# Altium PCB PCB_WINGLET_V1P_OSR.PcbDoc (part 3 of 4) (continued)
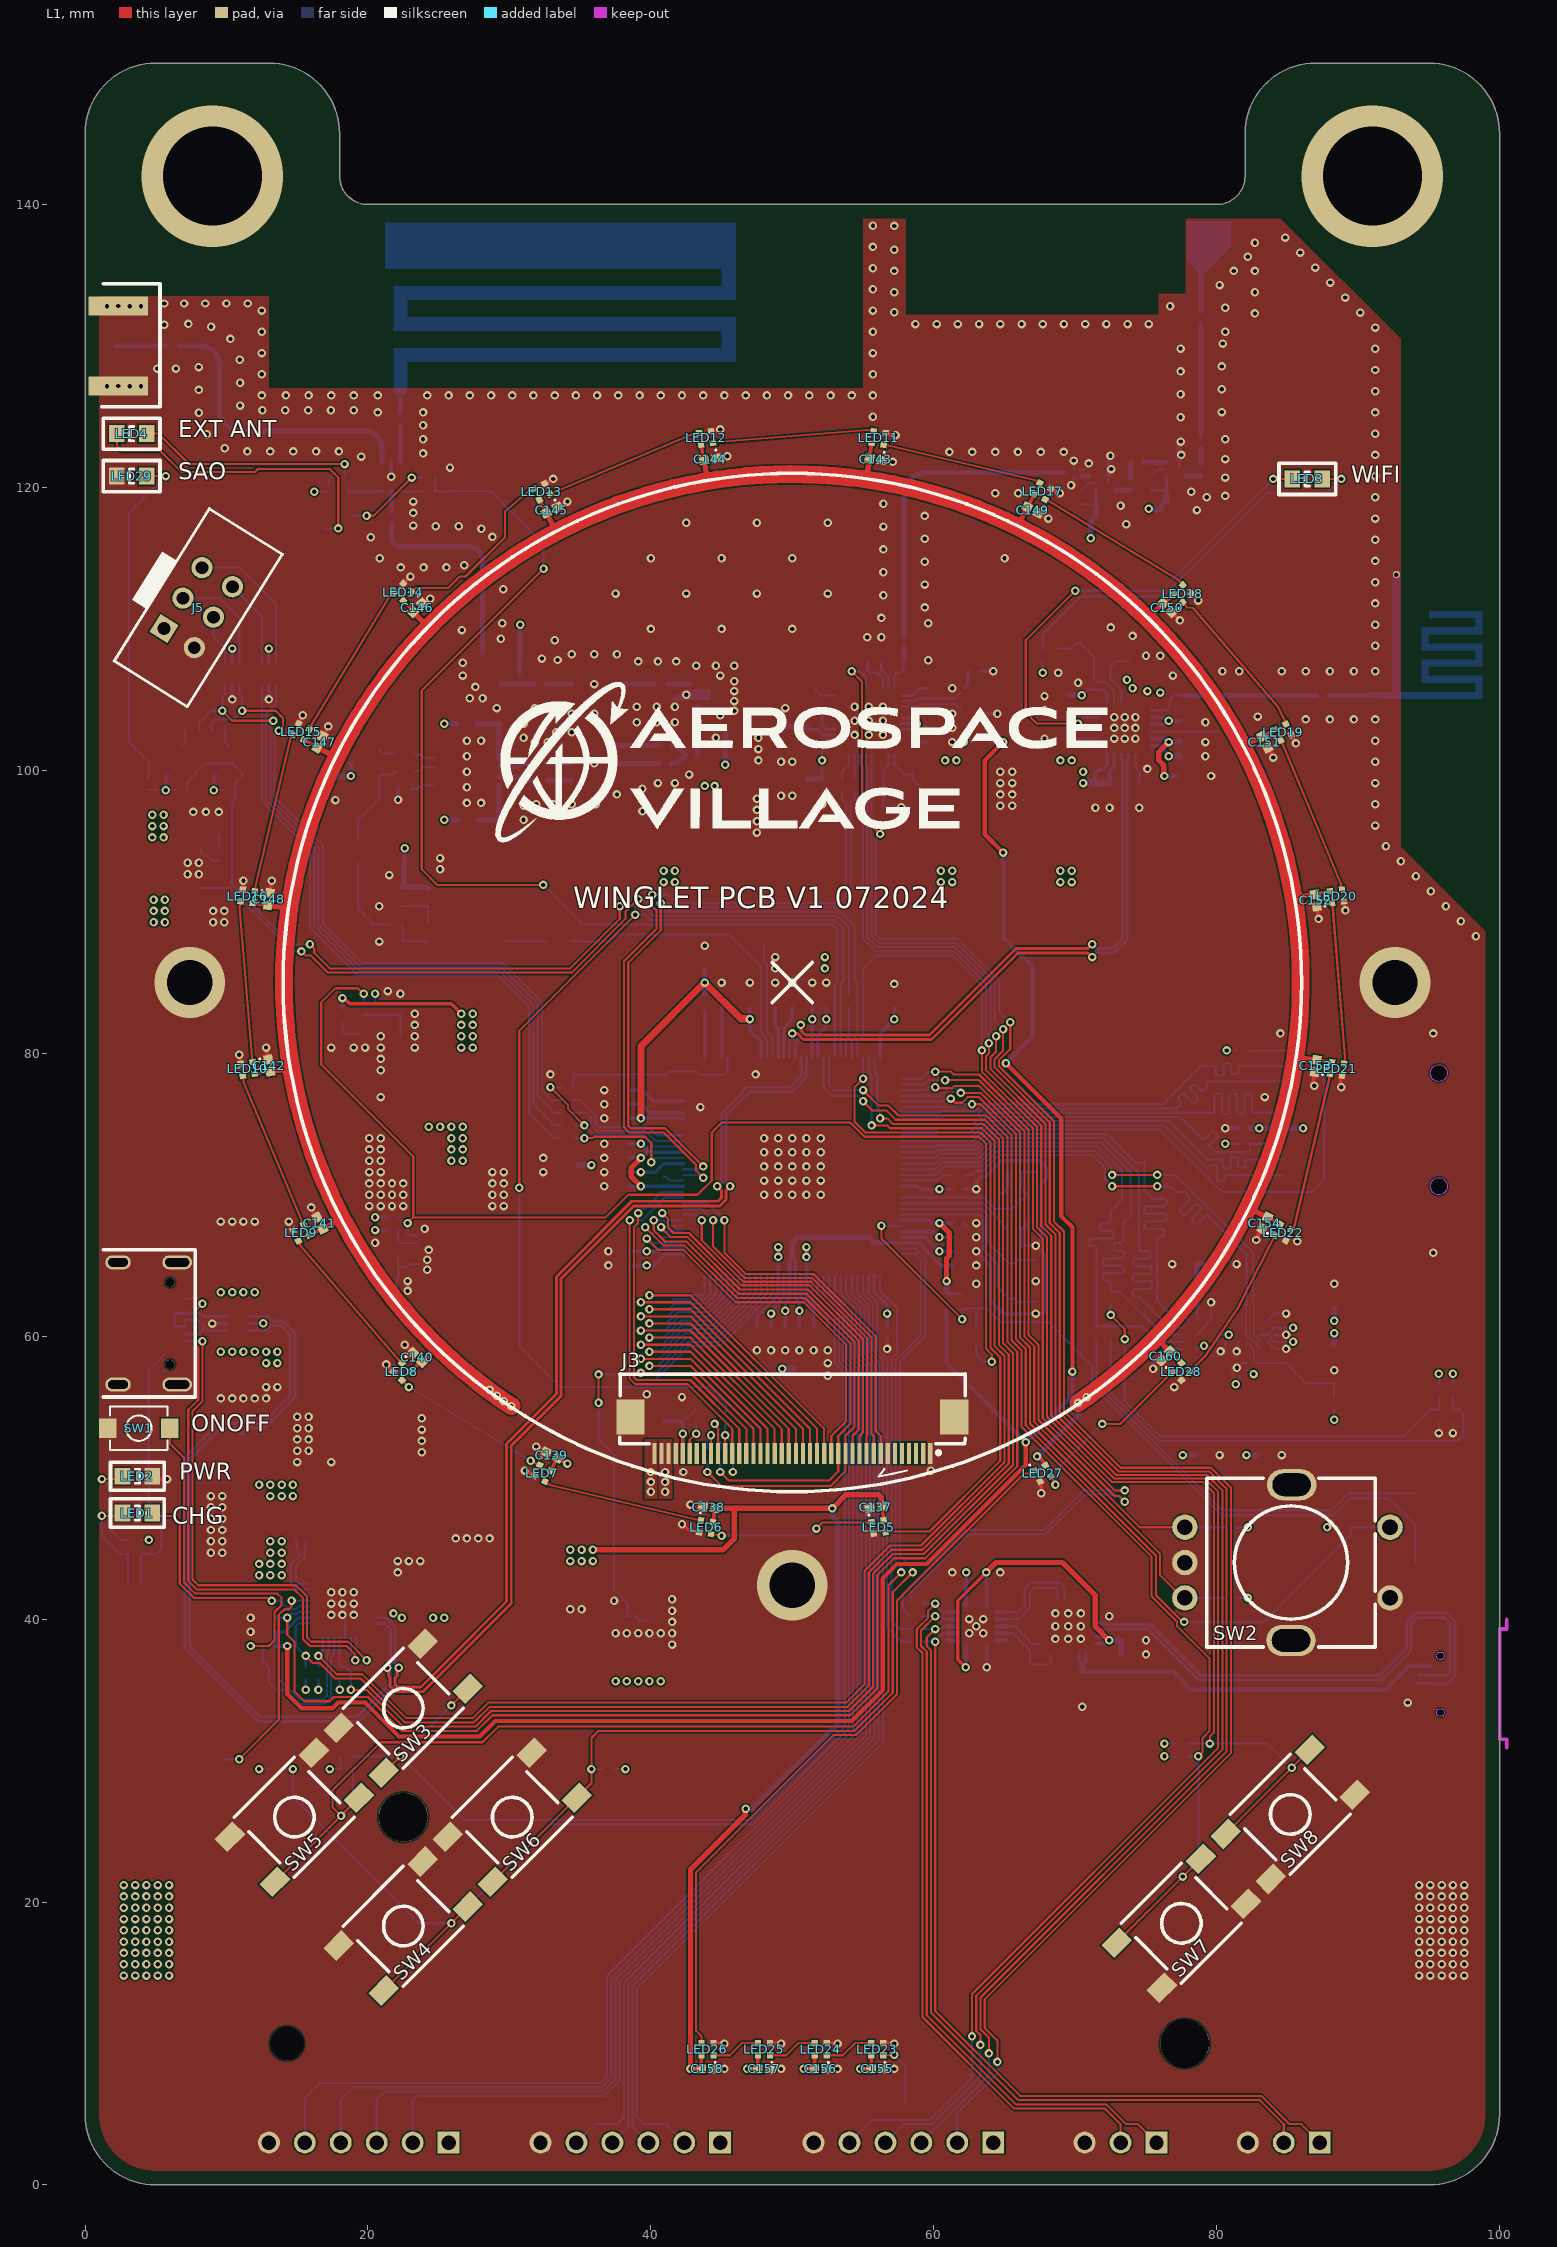
[diagram p0: L1 view]
## Nets (pads, with @x,y where several pads share a name; then routed paths per layer and width w, separated by ;. In a path a pad name is that pad's centre, name@x,y a point inside that pad or via, vN(x,y) a via of type N, cw(c..) or ccw(c..) an arc to the next point about the centre after c; other vN are vias at no path point) (continued)
  L4 w0.152: U16.4@8.2,91.675 9.45,91.675 10.225,91.675 14.7,87.2 v1(15.3,87.2) ; v1(39.1,90.9) 39.186,90.814 39.586,90.814 40.4,90 53.4,90 54.4,89 54.4,85.174 54.6,84.974 54.6,81.3 54.2,80.9 U4.123@54.2,79.725
GPIO_SAO_SCL: R71.1 U4.85 | length 8.8
  L4 w0.152: R71.1@34.55,75.8 35.4,75.8 35.8,75.4 35.8,74.9 35.9,74.8 36.2,74.5 39.6,74.5 40.3,73.8 U4.85@42.275,73.8
GPIO_SAO_SDA: R65.1 U4.86 | length 9.1
  L4 w0.152: R65.1@34.55,76.7 35,76.7 36.1,75.6 36.1,75 36.3,74.8 39.8,74.8 40.4,74.2 U4.86@42.275,74.2
HDR_SAO_GPIO1: D5.6 J5.5 | length 10.5
  L4 w0.152: J5.5@8.269,114.327 10.973,114.327 13.5,111.8 D5.6@13.5,107.615
HDR_SAO_GPIO2: D5.4 J5.6 | length 6.2
  L4 w0.152: J5.6@10.423,112.981 12.5,110.904 D5.4@12.5,107.615
HDR_SAO_SCL: D4.4 J5.4 | length 3.6
  L4 w0.152: J5.4@9.077,110.827 9.077,109.423 9.9,108.6 D4.4@9.9,107.615
HDR_SAO_SDA: D4.6 J5.3 | length 7.7
  L4 w0.152: J5.3@6.923,112.173 9.527,112.173 10.9,110.8 D4.6@10.9,107.615
IO_BTN_A: R79.1 SW7.1 U4.6 | length 76.9
  L1 w0.152: v1(62.7,76.4) 63.3,76.4 65.5,74.2 65.5,59.7 66.2,59 66.2,53.6 75.4,44.4 75.4,41.6 77.2,39.8 77.2,39.5 79.5,37.2 79.5,32.1 79,31.6 79,30.613 78.7,30.313 v1(78.7,30.3) ; SW7.1@72.939,17.121 72.939,17.139 v1(77.6,21.8) 78.861,23.061 SW7.1@78.879,23.061
  L4 w0.152: U4.6@57.725,76.2 61.4,76.2 61.6,76.4 v1(62.7,76.4) ; v1(77.6,21.8) 78.7,22.9 v1(78.7,30.3) R79.1@77.95,30.3
IO_BTN_B: R80.1 SW8.1 U4.124 | length 96.8
  L1 w0.152: v1(63.4,80.2) 63.4,78.7 67.3,74.8 67.3,67.7 68,67 68,54.3 72.616,49.684 79.037,49.684 79.8,48.921 79.8,32 79.529,31.729 79.529,31.229 v1(79.5,31.2) ; SW8.1@80.639,24.821 80.639,24.839 v1(85.3,29.5) 86.561,30.761 SW8.1@86.579,30.761
  L4 w0.152: U4.124@54.6,79.725 54.6,80.8 55,81.2 55,86 55.9,86.9 61.3,86.9 63.4,84.8 v1(63.4,80.2) ; R80.1@77.95,31.2 v1(79.5,31.2) 83.6,31.2 v1(85.3,29.5)
IO_BTN_D: R75.1 SW4.1 U4.44 | length 92.7
  L1 w0.152: SW4.1@21.121,13.739 SW4.1@27.061,19.679
  L4 w0.152: R75.1@13.95,29.4 v1(14.7,29.4) 14.7,27.4 23.6,18.5 v1(25.9,18.5) 32.9,25.5 47.2,25.5 54,32.3 54,57.5 53.3,58.2 53.3,61.5 51.8,63 U4.44@51.8,64.275
IO_BTN_E: R64.1 SW2.D U4.5 | length 66.6
  L1 w0.152: v1(61.2,76.8) 61.5,76.5 62,76.5 62.4,76.9 63.2,76.9 65.8,74.3 65.8,59.8 66.5,59.1 66.5,53.703 75.7,44.503 75.7,41.7 v1@77.65,39.75
  L4 w0.152: U4.5@57.725,76.6 60.6,76.6 60.8,76.8 v1(61.2,76.8) ; v1(77.7,39.8) 83.3,39.8 89.45,45.95 R64.1@89.45,46.5 SW2.D@92.25,46.5
IO_BTN_L: R76.1 SW5.1 U4.32 | length 89.6
  L1 w0.152: SW5.1@13.421,21.439 13.439,21.439 v1(18.1,26.1) ; SW5.1@19.361,27.379 19.361,27.361 v1(18.1,26.1) ; v1(57.7,43.3) 56.8,42.4 56.8,34.9 54.3,32.4 29.2,32.4 28.1,31.3 20.9,31.3 17.5,27.9 17.5,26.7 v1(18.1,26.1)
  L4 w0.152: v1(18.1,26.1) 18.95,26.95 R76.1@18.95,29.4 ; v1(57.7,43.3) 57.629,43.371 57.629,43.671 57.3,44 57.3,58.3 59.1,60.1 59.1,65.4 58.7,65.8 U4.32@57.725,65.8
IO_BTN_R: R78.1 SW6.1 U4.31 | length 70.8
  L1 w0.152: SW6.1@28.821,21.439 SW6.1@34.761,27.379 35.8,28.418 v1(35.8,29.4) 35.8,31.6 36.3,32.1 54.4,32.1 57.1,34.8 57.1,41.9 v1(58.5,43.3)
  L4 w0.152: v1(35.8,29.4) R78.1@36.55,29.4 ; U4.31@57.725,66.2 58.7,66.2 59.4,65.5 59.4,59.976 57.6,58.176 57.6,44.5 58.429,43.671 58.429,43.371 v1(58.5,43.3)
IO_BTN_U: R73.1 SW3.1 U4.45 | length 80.6
  L1 w0.152: SW3.1@21.121,29.139 21.139,29.139 v1(22.3,30.3) ; v1(25.9,33.9) 27.061,35.061 SW3.1@27.061,35.079
  L4 w0.152: R73.1@18.95,30.3 v1(22.3,30.3) ; v1(25.9,33.9) v1(22.3,30.3) ; U4.45@51.4,64.275 51.4,63 52.998,61.402 52.998,58.102 53.7,57.4 53.7,32.424 47.076,25.8 26.8,25.8 v1(22.3,30.3)
IO_ENC_PHA: R67.1 SW2.A U4.3 | length 47.5
  L1 w0.152: v1(60.1,77.6) 60.178,77.522 61.272,77.522 61.428,77.678 63.222,77.678 66.4,74.5 66.4,60 67.1,59.3 67.1,53.951 74.551,46.5 SW2.A@77.75,46.5
  L4 w0.152: U4.3@57.725,77.4 59.4,77.4 59.6,77.6 v1(60.1,77.6) ; SW2.A@77.75,46.5 R67.1@80.55,46.5
IO_ENC_PHB: R68.2 SW2.B U4.4 | length 50.4
  L1 w0.152: v1(61.9,77.2) 63.3,77.2 66.1,74.4 66.1,59.9 66.8,59.2 66.8,53.827 76,44.627 76,43.1 SW2.B@77.675,41.425
  L4 w0.152: U4.4@57.725,77 60.5,77 61,77.5 61.6,77.5 v1(61.9,77.2) ; SW2.B@77.75,41.5 R68.2@80.55,41.5
JTAG_ARM_TCK: P5.2 U4.36 | length 71.4
  L4 w0.152: P5.2@42.36,3 41.06,4.3 39.5,4.3 39,4.8 39,13.903 56.4,31.303 56.4,58.3 55.7,59 55.7,62.3 55,63 U4.36@55,64.275
JTAG_ARM_TDI: P5.4 U4.38 | length 69.6
  L4 w0.152: P5.4@37.28,3 38.4,4.12 38.4,14.151 55.8,31.551 55.8,58.1 55.1,58.8 55.1,62.1 54.2,63 U4.38@54.2,64.275
JTAG_ARM_TDO: P5.3 U4.37 | length 69.6
  L4 w0.152: P5.3@39.82,3 38.7,4.12 38.7,14.027 56.1,31.427 56.1,58.2 55.4,58.9 55.4,62.2 54.6,63 U4.37@54.6,64.275
JTAG_ARM_TMS: P5.5 U4.39 | length 71.5
  L4 w0.152: P5.5@34.74,3 36.04,4.3 37.6,4.3 38.1,4.8 38.1,14.276 55.5,31.676 55.5,58 54.8,58.7 54.8,62 53.8,63 U4.39@53.8,64.275
JTAG_DSP_TCK: P4.2 U4.40 | length 83
  L4 w0.152: P4.2@23.16,3 23.16,5.96 23.5,6.3 36.7,6.3 37.8,7.4 37.8,14.4 55.2,31.8 55.2,57.9 54.5,58.6 54.5,61.9 53.4,63 U4.40@53.4,64.275
JTAG_DSP_TDI: P4.4 U4.42 | length 87.5
  L4 w0.152: P4.4@18.08,3 18.08,5.98 19,6.9 36.5,6.9 37.2,7.6 37.2,14.649 54.6,32.049 54.6,57.7 53.9,58.4 53.9,61.7 52.6,63 U4.42@52.6,64.275
JTAG_DSP_TDO: P4.3 U4.41 | length 85.3
  L4 w0.152: P4.3@20.62,3 20.62,6.02 21.2,6.6 36.6,6.6 37.5,7.5 37.5,14.524 54.9,31.924 54.9,57.8 54.2,58.5 54.2,61.8 53,63 U4.41@53,64.275
JTAG_DSP_TMS: P4.5 U4.43 | length 89.8
  L4 w0.152: P4.5@15.54,3 15.54,6.14 16.6,7.2 36.4,7.2 36.9,7.7 36.9,14.773 54.3,32.173 54.3,57.6 53.6,58.3 53.6,61.6 52.2,63 U4.43@52.2,64.275
LCD_CLK: J3.29 U4.75 | length 26.1
  L1 w0.152: v1(38.5,68.2) 38.5,57 38.9,56.6 42.6,56.6 45.75,53.45 J3.29@45.75,51.712
  L4 w0.152: v1(38.5,68.2) 39.4,68.2 41,69.8 U4.75@42.275,69.8
LCD_DE: J3.28 U4.76 | length 26.2
  L1 w0.152: v1(39.1,68.7) 39.1,68 38.8,67.7 38.8,57.1 39,56.9 42.8,56.9 46.25,53.45 J3.28@46.25,51.712
  L4 w0.152: v1(39.1,68.7) 39.113,68.7 39.413,69 39.6,69 40.8,70.2 U4.76@42.275,70.2
LCD_HSYNC: J3.26 U4.54 | length 22.2
  L1 w0.152: v1(39.9,57.9) 42.8,57.9 47.25,53.45 J3.26@47.25,51.712
  L4 w0.152: v1(39.9,57.9) 40.5,57.9 42.5,59.9 44.7,59.9 47.8,63 U4.54@47.8,64.275
LCD_NRESET: J3.35 R37.2 | length 2.4
  L1 w0.152: J3.35@42.75,51.712 42.75,52.691 43.159,53.1 v1(43.2,53.1)
  L4 w0.152: v1(43.2,53.1) R37.2@43.2,53.95
LCD_NSS: J3.30 R38.2 R39.2 | length 3.2
  L1 w0.152: J3.30@45.25,51.712 v1(45.25,53)
  L4 w0.152: R39.2@45.3,53.75 45.25,53.7 v1(45.25,53) 45.8,52.45 R38.2@45.8,52.05
LCD_RGB_B0: J3.25 U4.55 | length 23.5
  L1 w0.152: v1(39.3,58.4) 42.8,58.4 47.75,53.45 J3.25@47.75,51.712
  L4 w0.152: v1(39.3,58.4) 40.6,58.4 42.4,60.2 44.6,60.2 46,61.6 47.4,63 U4.55@47.4,64.275
LCD_RGB_B1: J3.24 U4.56 | length 22.4
  L1 w0.152: v1(39.9,58.9) 42.8,58.9 48.25,53.45 J3.24@48.25,51.712
  L4 w0.152: v1(39.9,58.9) 40.7,58.9 42.3,60.5 44.5,60.5 47,63 U4.56@47,64.275
LCD_RGB_B2: J3.23 U4.57 | length 23.7
  L1 w0.152: v1(39.3,59.4) 42.8,59.4 48.75,53.45 J3.23@48.75,51.712
  L4 w0.152: v1(39.3,59.4) 40.8,59.4 42.2,60.8 44.4,60.8 45.4,61.8 46.6,63 U4.57@46.6,64.275
LCD_RGB_B3: J3.22 U4.58 | length 22.6
  L1 w0.152: v1(39.9,59.9) 42.8,59.9 49.25,53.45 J3.22@49.25,51.712
  L4 w0.152: v1(39.9,59.9) 40.9,59.9 42.1,61.1 44.3,61.1 45.1,61.9 46.2,63 U4.58@46.2,64.275
LCD_RGB_B4: J3.21 U4.59 | length 23.9
  L1 w0.152: v1(39.3,60.4) 40.5,60.4 42.8,60.4 49.75,53.45 J3.21@49.75,51.712
  L4 w0.152: v1(39.3,60.4) 41,60.4 42,61.4 44.2,61.4 45.8,63 U4.59@45.8,64.275
LCD_RGB_B5: J3.20 U4.60 | length 22.8
  L1 w0.152: v1(39.9,60.9) 42.8,60.9 50.25,53.45 J3.20@50.25,51.712
  L4 w0.152: v1(39.9,60.9) 41.1,60.9 41.9,61.7 44.1,61.7 45.4,63 U4.60@45.4,64.275
LCD_RGB_G0: J3.19 U4.61 | length 24.1
  L1 w0.152: v1(39.3,61.4) 41.863,61.4 42.8,61.4 50.75,53.45 J3.19@50.75,51.712
  L4 w0.152: v1(39.3,61.4) 41.2,61.4 41.8,62 44,62 45,63 U4.61@45,64.275
LCD_RGB_G1: J3.18 U4.62 | length 23
  L1 w0.152: v1(39.9,61.9) 41.829,61.9 42.8,61.9 51.25,53.45 J3.18@51.25,51.712
  L4 w0.152: v1(39.9,61.9) 41.3,61.9 41.7,62.3 43.9,62.3 44.6,63 U4.62@44.6,64.275
LCD_RGB_G2: J3.17 U4.63 | length 24.3
  L1 w0.152: v1(39.3,62.4) 40.5,62.4 42.8,62.4 51.75,53.45 J3.17@51.75,51.712
  L4 w0.152: v1(39.3,62.4) 41.4,62.4 41.6,62.6 43.8,62.6 44.2,63 U4.63@44.2,64.275
LCD_RGB_G3: J3.16 U4.64 | length 23.2
  L1 w0.152: v1(39.9,62.9) 42.8,62.9 52.25,53.45 J3.16@52.25,51.712
  L4 w0.152: v1(39.9,62.9) 43.6,62.9 43.8,63.1 U4.64@43.8,64.275
LCD_RGB_G4: J3.15 U4.67 | length 28
  L1 w0.152: v1(39.7,66.9) 40.5,66.1 42.3,66.1 46,62.4 50.8,62.4 53.8,59.4 53.8,54 52.75,52.95 J3.15@52.75,51.712
  L4 w0.152: v1(39.7,66.9) 39.821,66.9 40.121,66.6 U4.67@42.275,66.6
LCD_RGB_G5: J3.14 R41.1 U4.68 | length 39.9
  L1 w0.152: v1(39.6,67.7) 40.9,66.4 42.4,66.4 46.1,62.7 50.9,62.7 54.1,59.5 54.1,53.8 53.25,52.95 J3.14@53.25,51.712 53.25,50.45 52.6,49.8 45.5,49.8 v1(44.9,50.4)
  L4 w0.152: v1(39.6,67.7) 40,67.3 40.424,67.3 40.724,67 U4.68@42.275,67 ; v1(44.9,50.4) R41.1@44.9,51.15
LCD_RGB_R0: J3.13 R40.1 U4.70 | length 41.2
  L1 w0.152: v1(40.2,68.2) 40.2,67.5 41,66.7 42.5,66.7 46.2,63 51,63 54.4,59.6 54.4,53.6 53.75,52.95 J3.13@53.75,51.712 53.75,50.45 52.7,49.4 45,49.4 v1(44,50.4)
  L4 w0.152: v1(40.2,68.2) 40.911,68.2 41.311,67.8 U4.70@42.275,67.8 ; v1(44,50.4) R40.1@44,51.15
LCD_RGB_R1: J3.12 U4.69 | length 27.2
  L1 w0.152: v1(40.717,67.717) 40.717,67.677 41.394,67 42.6,67 46.3,63.3 51.1,63.3 54.7,59.7 54.7,53.4 54.25,52.95 J3.12@54.25,51.712
  L4 w0.152: v1(40.717,67.717) 40.717,67.696 41.013,67.4 U4.69@42.275,67.4
LCD_RGB_R2: J3.11 U4.71 | length 28.1
  L1 w0.152: v1(40.8,68.7) 41.207,68.293 41.207,67.693 41.6,67.3 42.7,67.3 46.4,63.6 51.2,63.6 55,59.8 55,53.2 54.75,52.95 J3.11@54.75,51.712
  L4 w0.152: v1(40.8,68.7) 41.3,68.2 U4.71@42.275,68.2
LCD_RGB_R3: J3.10 U4.72 | length 25.6
  L1 w0.152: v1(43.6,68.2) 43.6,66.782 46.528,63.854 51.305,63.854 55.3,59.859 55.3,53 55.25,52.95 J3.10@55.25,51.712
  L4 w0.152: U4.72@42.275,68.6 43.2,68.6 v1(43.6,68.2)
LCD_RGB_R4: J3.9 U4.73 | length 26.4
  L1 w0.152: v1(44.4,68.2) 44.4,66.341 46.633,64.108 51.41,64.108 55.6,59.918 55.6,53.1 55.75,52.95 J3.9@55.75,51.712
  L4 w0.152: U4.73@42.275,69 43.6,69 v1(44.4,68.2)
LCD_RGB_R5: J3.8 U4.74 | length 27.3
  L1 w0.152: v1(45.2,68.2) 45.2,65.9 46.7,64.4 51.5,64.4 55.9,60 55.9,53.3 56.25,52.95 J3.8@56.25,51.712
  L4 w0.152: U4.74@42.275,69.4 44,69.4 v1(45.2,68.2)
LCD_SCK: J3.31 R41.2 | length 4.1
  L1 w0.152: v1(44.5,53.8) 44.5,53.737 44.75,53.487 J3.31@44.75,51.712
  L4 w0.152: v1(44.5,53.8) 44.5,53.679 44.772,53.407 44.772,52.628 44.9,52.5 R41.2@44.9,52.05
LCD_SDA: J3.32 R40.2 | length 2.3
  L1 w0.152: J3.32@44.25,51.712 v1(44.25,53)
  L4 w0.152: R40.2@44,52.05 44,52.7 44.25,52.95 v1(44.25,53)
LCD_VSYNC: J3.27 U4.53 | length 23.3
  L1 w0.152: v1(39.3,57.4) 42.8,57.4 46.75,53.45 J3.27@46.75,51.712
  L4 w0.152: v1(39.3,57.4) 40.4,57.4 42.6,59.6 44.8,59.6 46.6,61.4 48.2,63 U4.53@48.2,64.275
MICROSD_CLK: J2.5 R30.2 TP12.1 | length 30.5
  L4 w0.152: R30.2@62.15,75 62.8,75 63.6,75.8 TP12.1@78.9,75.8 79.647,75.8 79.723,75.8 79.83,75.907 79.83,77.014 79.936,77.121 80.256,77.121 80.363,77.014 80.363,75.805 80.47,75.698 80.79,75.698 80.897,75.805 80.897,77.014 81.003,77.121 81.323,77.121 81.43,77.014 81.43,75.805 81.537,75.698 81.857,75.698 81.963,75.805 81.963,77.014 82.07,77.121 82.39,77.121 82.497,77.014 82.497,75.907 82.603,75.8 82.923,75.8 J2.5@84.7,75.8
NetC96_1: C96.1 L6.1 | length 1.1
  L4 w0.356: L6.1@78.9,121.65 C96.1@78.9,122.76
NetC96_2: C96.2 Z1.1 Z4.2 | length 7.9
  L4 w0.356: C96.2@78.9,123.64 Z4.2@78.9,130.7 Z1.1@78.9,131.54
NetC97_1: C97.1 L7.1 | length 1.2
  L4 w0.356: L7.1@73.9,120.65 C97.1@73.9,121.8
NetC97_2: C97.2 U8.6 | length 1.6
  L4 w0.356: C97.2@74.78,121.8 74.84,121.8 U8.6@76.4,121.8
NetC114_1: C114.1 J4.1 | length 3.6
  L4 w0.356: J4.1@2.16,130 C114.1@5.76,130
NetC115_1: C115.1 U11.5 | length 1.4
  L4 w0.356: C115.1@21.65,118.29 U11.5@21.65,119.7
NetC118_2: C118.2 R54.1 U11.6 | length 2.4
  L4 w0.254: R54.1@18.6,119.7 18.61,119.71 20.99,119.71 U11.6@21,119.7
NetC123_1: C123.1 L11.1 U12.1 | length 2.4
  L4 w0.356: U12.1@29.4,106.1 L11.1@30.7,106.1 C123.1@31.76,106.1
NetC123_2: C123.2 F3.2 | length 1.8
  L4 w0.356: C123.2@32.64,106.1 F3.2@34.4,106.1
NetC124_1: C124.1 F3.5 | length 2.7
  L4 w0.356: F3.5@37.6,106.1 C124.1@40.26,106.1
NetC124_2: C124.2 U13.4 | length 1.7
  L4 w0.356: C124.2@41.14,106.1 42.8,106.1
NetC125_1: C125.1 L12.1 U13.1 | length 3.4
  L4 w0.356: U13.1@43.3,104.527 L12.1@43.3,102.9 43.3,101.14 C125.1@43.34,101.1
NetC125_2: C125.2 C126.1 L13.2 | length 2.5
  L4 w0.356: L13.2@41.425,100.5 ccw(c41.425,101.55) 42.168,100.808 C125.2@42.46,101.1 41.972,101.588 ccw(c41.46,101.076) C126.1@41.46,101.8
NetC126_2: C126.2 F2.1 L10.1 | length 2.9
  L4 w0.356: F2.1@37.6,101.77 40.468,101.77 ccw(c40.468,101.872) C126.2@40.54,101.8
NetC127_2: C127.2 F2.2 L13.1 | length 3
  L4 w0.356: F2.2@37.6,100.5 L13.1@40.575,100.5
NetC129_1: C129.1 R60.1 | length 6
  L4 w0.152: C129.1@19.3,93.475 19.3,90.2 20.4,89.1 R60.1@21.55,89.1
NetC129_2: C129.2 Q1.2 R58.1 | length 6.3
  L4 w0.152: C129.2@19.3,95.125 19.3,96.5 20.8,98 Q1.2@20.8,99.55 20.95,99.7 21.75,99.7 R58.1@21.95,99.9
NetC131_2: C131.2 C132.2 R59.2 U14.1 | length 4
  L4 w0.381: R59.2@27.7,103.3 C132.2@29.26,103.3 C131.2@29.26,102.3 ccw(c29.284,102.276) 29.25,102.276 U14.1@29.25,100.875
NetC133_2: C133.2 C134.2 R62.2 U14.4 | length 3.9
  L4 w0.381: R62.2@27.8,96.5 C134.2@29.26,96.5 C133.2@29.26,97.5 cw(c29.284,97.524) 29.25,97.524 U14.4@29.25,98.925
NetL1_1: L1.1 U1.15 U1.16 U1.17 U1.18
NetL2_1: L2.1 U2.9
NetL2_2: L2.2 U2.7
NetL3_1: L3.1 U3.3
NetL4_1: L4.1 U6.3
NetL6_2: L6.2 U8.3 | length 1.1
  L4 w0.356: 77.8,120.8 L6.2@78.9,120.8
NetL7_2: L7.2 U9.3 | length 1.1
  L4 w0.356: 72.843,119.8 L7.2@73.9,119.8
NetL9_2: L9.2 U10.22 | length 2.1
  L4 w0.203: L9.2@51.1,101.674 51.774,101.674 52.2,102.1 U10.22@53,102.1
NetLED1_2: LED1.2 R7.1 R8.1 R10.1 | length 7
  L1 w0.152: v1(1.2,47.3) LED1.2@2.45,47.3
  L4 w0.152: v1(1.2,47.3) 1.2,45.9 2.5,44.6 R7.1@3.05,44.6 R8.1@3.05,43.6 R10.1@3.05,42.6
NetLED2_2: LED2.2 R17.1 | length 6.6
  L1 w0.152: v1(1.2,49.9) LED2.2@2.45,49.9
  L4 w0.152: v1(1.2,49.9) 1.8,49.3 1.8,46.3 2.5,45.6 R17.1@3.05,45.6
NetLED3_2: LED3.2 R47.2 | length 28.1
  L1 w0.152: LED3.2@87.45,120.6 v1(88.8,120.6)
  L4 w0.152: R47.2@67.7,108.55 67.7,109.6 70.4,112.3 76.2,112.3 83.5,119.6 87.8,119.6 v1(88.8,120.6)
NetLED4_1: LED4.1 Q2.3 | length 22.2
  L1 w0.152: LED4.1@2.25,123.8 2.25,122.95 2.6,122.6 5.3,122.6 6.804,121.096 12.021,121.096 12.225,121.3 17.3,121.3 17.9,120.7 v1(17.9,117.1)
  L4 w0.152: Q2.3@16.9,117.1 v1(17.9,117.1)
NetLED4_2: LED4.2 R55.1 | length 15.7
  L1 w0.152: LED4.2@4.35,123.8 5.2,123.8 7.35,121.65 v1(18.35,121.65)
  L4 w0.152: R55.1@18.3,120.95 R55.1@18.35,120.9 v1(18.35,121.65)
NetLED5_1: LED5.1 LED6.4 | length 11.6
  L1 w0.152: LED6.4@44.253,46.014 44.401,45.995 v1(45,45.9) ; v1(51.7,46.4) 52.132,46.832 LED5.1@55.466,46.832
  L4 w0.152: v1(45,45.9) 51.2,45.9 v1(51.7,46.4)
NetLED6_1: LED6.1 LED7.4 | length 11.1
  L1 w0.152: LED7.4@32.623,49.609 32.848,49.495 ccw(c32.917,49.63) 32.881,49.482 ; 32.882,49.482 43.195,47.045 ; 43.206,47.043 LED6.1@43.4,47.012
NetLED7_1: LED7.1 LED8.4 | length 11.5
  L1 w0.152: LED8.4@22.4,56.899 22.506,56.794 v1(22.9,56.4) ; v1(31.498,51.197) 32.003,50.94 LED7.1@32.143,50.886
  L4 w0.152: v1(22.9,56.4) v1(31.498,51.197)
NetLED8_1: LED8.1 LED9.4 | length 11.1
  L1 w0.152: LED9.4@15.104,66.644 15.219,66.419 ccw(c15.355,66.488) 15.239,66.389 ; 15.239,66.389 22.15,58.355 ; 22.157,58.347 LED8.1@22.296,58.208
NetLED9_1: LED9.1 LED10.4 | length 11.4
  L1 w0.152: LED10.4@11.147,78.414 11.159,78.265 11.198,78.016 ccw(c11.349,78.04) 11.208,77.981 15.298,68.205 ccw(c15.438,68.264) 15.302,68.196 ; 15.303,68.195 15.392,68.02 LED9.1@15.457,67.886
NetLED10_1: LED10.1 LED16.4 | length 11.1
  L1 w0.152: 10.931,90.3 11.8,79.739 ; 10.931,90.301 cw(c11.083,90.313) 10.933,90.336 LED16.4@10.972,90.586 ; 11.802,79.728 LED10.1@11.832,79.534
NetLED11_1: LED11.1 LED17.4 | length 11.1
  L1 w0.152: LED11.1@56.6,122.988 56.794,122.957 ; 56.805,122.955 67.118,120.518 cw(c67.083,120.369) 67.152,120.505 LED17.4@67.377,120.391
NetLED11_4: LED11.4 LED12.1 | length 11.1
  L1 w0.152: LED12.1@44.534,123.168 44.728,123.198 ; 44.739,123.2 55.3,124.069 ; 55.301,124.069 cw(c55.313,123.917) 55.336,124.067 LED11.4@55.586,124.028
NetLED12_4: LED12.4 LED13.1 | length 11.1
  L1 w0.152: LED13.1@33.005,119.58 33.181,119.669 ; 33.191,119.674 42.967,123.764 cw(c43.026,123.623) 43.001,123.774 LED12.4@43.251,123.813
NetLED13_4: LED13.4 LED14.1 | length 12.5
  L1 w0.152: LED14.1@23.101,112.599 23.402,112.9 25.7,112.9 26.5,113.7 26.9,113.7 29.7,116.5 29.7,118.307 31.389,119.76 ; 31.389,119.76 cw(c31.488,119.644) 31.419,119.78 LED13.4@31.644,119.895
NetLED14_4: LED14.4 LED15.1 | length 11.1
  L1 w0.152: LED15.1@15.927,103.046 16.016,103.221 ; 16.022,103.231 21.527,112.286 cw(c21.657,112.207) 21.549,112.314 LED14.4@21.727,112.493
NetLED15_4: LED15.4 LED16.1 | length 11.1
  L1 w0.152: LED16.1@12.012,91.6 12.043,91.794 ; 12.045,91.805 14.482,102.118 cw(c14.63,102.083) 14.495,102.152 LED15.4@14.609,102.377
NetLED17_1: LED17.1 LED18.4 | length 11.1
  L1 w0.152: LED17.1@68.003,119.087 68.178,118.998 ; 68.188,118.992 77.243,113.487 ; 77.243,113.487 cw(c77.164,113.357) 77.271,113.465 77.45,113.287
NetLED18_1: LED18.1 LED19.4 | length 11.4
  L1 w0.152: LED18.1@77.6,111.899 77.939,111.505 78.324,111.476 84.296,104.534 LED19.4@84.896,103.356
NetLED19_1: LED19.1 LED20.4 | length 11.1
  L1 w0.152: LED19.1@84.58,101.995 84.669,101.819 ; 84.674,101.809 88.764,92.033 ; 88.764,92.033 cw(c88.623,91.974) 88.774,91.999 LED20.4@88.813,91.749
NetLED20_1: LED20.1 LED21.4 | length 11.1
  L1 w0.152: LED20.1@88.168,90.466 88.198,90.272 ; 88.2,90.261 89.069,79.7 cw(c88.917,79.687) 89.067,79.664 LED21.4@89.028,79.414
NetLED21_1: LED21.1 LED22.4 | length 11.1
  L1 w0.152: LED22.4@85.391,67.623 85.505,67.848 ccw(c85.37,67.917) 85.518,67.881 ; 85.518,67.882 87.955,78.195 ; 87.957,78.206 LED21.1@87.988,78.4
NetLED22_1: LED22.1 LED28.4 | length 11.4
  L1 w0.152: LED28.4@78.101,57.5 79.199,58.598 79.218,58.621 81.497,62.003 83.8,66.5 84.057,67.005 LED22.1@84.114,67.143
NetLED23_4: LED23.4 LED24.1 | length 3.5
  L1 w0.152: LED24.1@52.425,9.175 53.575,9.175 54.425,10.025 LED23.4@55.575,10.025
NetLED24_4: LED24.4 LED25.1 | length 3.5
  L1 w0.152: LED25.1@48.425,9.175 49.575,9.175 50.425,10.025 LED24.4@51.575,10.025
NetLED25_4: LED25.4 LED26.1 | length 3.5
  L1 w0.152: LED26.1@44.425,9.175 45.575,9.175 46.425,10.025 LED25.4@47.575,10.025
NetLED26_4: LED26.4 LED27.1 | length 51.8
  L1 w0.152: LED26.4@43.575,10.025 43.575,10.525 43.2,10.9 43.2,22.1 52.9,31.8 54.5,31.8 57.4,34.7 57.4,41.3 66.4,50.3 66.813,50.3 66.998,50.486 LED27.1@67.128,50.486
NetLED27_4: LED27.4 LED28.1 | length 12.9
  L1 w0.152: LED27.4@68.272,50.114 68.351,49.988 v1(68.6,49.5) ; v1(71.9,53.8) 73.199,53.8 LED28.1@76.899,57.5
  L4 w0.152: v1(68.6,49.5) 68.6,50.5 v1(71.9,53.8)
NetLED29_2: LED29.2 R66.1 | length 24.3
  L1 w0.152: LED29.2@4.35,120.8 v1(5.7,120.8)
  L4 w0.152: R66.1@4.5,99.5 4.5,100.6 3.1,102 3.1,118.2 v1(5.7,120.8)
NetQ1_1: Q1.1 R56.1 | length 1.3
  L4 w0.152: Q1.1@20.8,101.45 21.05,101.2 R56.1@21.95,101.2
NetQ3_1: Q3.1 Q4.1 R77.1 R83.2 R84.1 | length 67.5
  L1 w0.152: v1(15.9,87.7) 16.2,87.4 16.2,87.1 17.3,86 34.3,86 37.8,89.5 v1(37.8,90.4)
  L4 w0.152: R84.1@7.175,98.6 7.175,99.075 7.75,99.65 Q4.1@7.75,99.7 7.75,99.75 8.5,100.5 10.4,100.5 11.15,99.75 Q3.1@11.15,99.7 11.15,99.65 10.575,99.075 R77.1@10.575,98.6 ; R77.1@10.625,98.6 10.625,97.925 10.4,97.7 10.4,91.9 14.6,87.7 v1(15.9,87.7) ; v1(37.8,90.4) 39.5,90.4 40.2,89.7 53.2,89.7 54,88.9 R83.2@54,84.15
NetQ3_3: Q3.3 R81.2 | length 1.2
  L4 w0.152: R81.2@9.85,102.8 9.9,102.75 9.9,102 Q3.3@10.2,101.7
NetQ4_3: Q4.3 R85.2 | length 1.2
  L4 w0.152: Q4.3@6.8,101.7 7.1,102 7.1,102.75 R85.2@7.15,102.8
NetR36_1: R36.1 TP24.1 U5.K5 U5.M8 U5.N8 U5.P8 | length 8.8
  L4 w0.102: U5.K5@82.1,59.6 82.6,59.1 82.6,58.3 82.8,58.1 U5.M8@83.1,58.1 U5.N8@83.6,58.1 U5.P8@84.1,58.1 84.6,58.1
  L4 w0.152: 84.6,58.1 84.9,58.1 86.3,56.7 TP24.1@88.3,56.7 R36.1@88.3,55.75
NetR46_2: R46.2 U7.14 | length 2.1
  L4 w0.152: U7.14@74.25,101.125 74.25,100.225 74.525,99.95 R46.2@74.525,99.1
NetR48_2: R48.2 U8.5 | length 1.3
  L4 w0.102: R48.2@75.365,120.75 75.589,120.974 75.589,120.989 75.9,121.3 U8.5@76.4,121.3
NetR49_2: R49.2 U9.5 | length 1.3
  L4 w0.102: R49.2@70.4,119.75 70.95,120.3 U9.5@71.435,120.3
NetR52_1: R52.1 U11.4 | length 1.5
  L4 w0.152: U11.4@22.3,119.7 R52.1@23.85,119.7
NetR56_2: R56.2 U14.8 | length 1.6
  L4 w0.152: R56.2@23.25,101.2 23.35,101.1 23.7,101.1 23.925,100.875 U14.8@24.75,100.875
NetR58_2: R58.2 U14.7 | length 1.6
  L4 w0.152: R58.2@23.25,99.9 23.35,100 23.7,100 23.925,100.225 U14.7@24.75,100.225
NetR61_2: R61.2 U15.2 U15.3 | length 3.1
  L4 w0.152: R61.2@22.45,90.4 24.215,90.4 U15.3@24.25,90.435 U15.2@24.25,89.165
NetR70_1: R70.1 U16.3 | length 1.7
  L4 w0.152: U16.3@8.2,94.445 8.2,94.195 8.399,93.996 8.614,93.996 9,93.61 R70.1@9.45,93.61
NetR70_2: R70.2 R72.1 | length 0.9
  L4 w0.152: R70.2@9.45,94.51 R72.1@9.45,95.41
NetU14_2: U14.2 Z8.1 Z10.2 | length 2.6
  L4 w0.356: U14.2@29.25,100.225 29.275,100.225 30.398,100.225 ccw(c30.398,100.652) Z10.2@30.7,100.35 cw(c31.062,99.988) 31.062,100.5 Z8.1@31.74,100.5
NetU14_3: U14.3 Z9.1 Z10.1 | length 2.6
  L4 w0.356: U14.3@29.25,99.575 29.275,99.575 30.398,99.575 cw(c30.398,99.148) Z10.1@30.7,99.45 ccw(c31.062,99.812) 31.062,99.3 Z9.1@31.74,99.3
PP_ADSB_3V3: C116.2 C117.2 C119.2 C120.2 C121.2 C122.2 C128.2 C135.2 C136.2 FB3.2 L11.2 L12.2 Q1.3 R54.2 R55.2 R59.1 R62.1 U15.4 | length 90
  L2 w1.016: v1(16.2,119.7) 16.2,113.7 18.8,111.1 v1(18.8,99.6) 21.9,96.5 ; v1(22.6,94.5) 21.9,95.2 21.9,96.5 ; v1(30.76,110.3) 30.76,104.56 29.5,103.3 v1(25.4,103.3) v1(25.4,96.5) ; v1(45.26,100.4) 45.26,99.66 v1(44.5,98.9) v1(43.8,98.9) 40.49,95.59 26.31,95.59 v1(25.4,96.5) ; 21.9,96.5 v1(25.4,96.5)
  L4 w0.152: v1(16.2,119.7) R54.2@17.2,119.7 ; 17.2,120.15 17.2,120.375 17.311,120.486 17.311,120.761 R55.2@17.45,120.9
  L4 w0.356: v1(25.4,96.5) R62.1@26.4,96.5 ; v1(25.4,103.3) R59.1@26.3,103.3 ; L11.2@30.7,106.9 30.7,107.755 cw(c30.905,107.755) C121.2@30.76,107.9 C119.2@30.76,109.164 ; v1(30.76,110.3) C119.2@30.76,109.164 ; C119.2@30.775,109.2 ccw(c30.811,109.164) C119.2@30.76,109.164 ; L12.2@44.1,102.9 C122.2@45.26,102.9 C120.2@45.26,101.536 ; v1(45.26,100.4) C120.2@45.26,101.536 ; C120.2@45.275,101.5 cw(c45.311,101.536) C120.2@45.26,101.536
  L4 w0.381: C128.2@17.7,99.54 18.681,99.54 18.741,99.6 v1(18.8,99.6) Q1.3@18.8,100.5 ; v1(22.6,94.5) 22.588,94.488 22.588,93.412 C135.2@22.575,93.4 22.575,91.93 22.446,91.8 22.493,91.752 24.203,91.752 U15.4@24.25,91.705
PP_BMU_1V8: C16.2 D3.2 R1.1 R24.2 TP3.1 U1.2 | length 143.9
  L1 w0.305: v1(14.3,38.1) 14.3,34.7 15.3,33.7 17.5,33.7 17.9,34.1 19.8,34.1 22.2,31.7 27.9,31.7 29,32.8 54.2,32.8 56.4,35 56.4,42.9 57.4,43.9 59.5,43.9 66.5,50.9 v1(66.5,52.5) ; v1(64.9,94.186) 63.6,95.486 63.6,100.7 v1(64.9,102) ; v1(65.1,79.3) 69,75.4 69,68.5 69.8,67.7 v1(69.8,57.5)
  L4 w0.203: C16.2@13.44,39.1 14.1,39.1 15.1,40.1 U1.2@15.8,40.1 ; D3.2@64.175,102 v1(64.9,102)
  L4 w0.305: C16.2@13.44,39.1 13.445,39.095 13.445,38.105 R1.1@13.45,38.1 v1(14.3,38.1) ; R24.2@60.9,61.85 60.9,58.1 v1(66.5,52.5) 69.8,55.8 v1(69.8,57.5) ; v1(64.9,94.186) 64.9,88.2 67,86.1 67,81.2 v1(65.1,79.3)
PP_EMMC_VDDI: C63.2 C64.2 U5.C1 U5.C2 | length 5.1
  L4 w0.152: U5.C2@78.6,61.1 U5.C1@78.6,61.6 78.6,62.2
  L4 w0.381: 78.6,62.2 C64.2@78.6,65.1 C63.2@79.66,65.1
PP_GNSS_3V3: C92.2 C93.1 C94.2 C95.1 C100.2 C101.2 C102.2 C107.2 FB2.2 R48.1 R49.1 U8.4 U9.4 U10.7 U10.21 | length 50.9
  L2 w1.016: v1(52.1,100.7) v1(60.8,100.7) v1(61.6,100.7) 62.6,100.7 63.2,101.3 63.2,108.525 v1(71.088,116.413) 74.113,116.413 75.2,117.5 v1(75.2,118.5)
  L4 w0.152: R49.1@70.4,118.85 70.45,118.8 71.36,118.8 C95.1@71.46,118.7 ; R48.1@75.365,119.85 75.415,119.8 C93.1@76.36,119.8
  L4 w0.203: C102.2@52.1,99.34 v1(52.1,100.7) v1(52.1,100.7) 52.101,101.401 52.398,101.698 52.998,101.698 U10.21@53,101.7 ; U10.7@57.8,102.9 57.802,102.898 58.46,102.898 58.7,102.658 58.7,102.3 59,102 C107.2@59.56,102 ; U9.4@71.435,119.8 71.447,119.8 71.46,119.787 71.46,118.8 C95.1@71.46,118.7 ; U8.4@76.4,120.8 76.413,120.786 76.46,120.786 C93.1@76.46,119.8
  L4 w0.381: C101.2@51.025,99.4 51.055,99.37 52.07,99.37 C102.2@52.1,99.34 ; C94.2@71.075,117.4 71.081,117.394 71.081,116.419 v1(71.088,116.413) ; C94.2@71.075,117.5 71.16,117.585 71.16,117.734 71.457,118.032 71.457,118.697 C95.1@71.46,118.7 ; v1(75.2,118.5) 75.242,118.458 76.017,118.458 C92.2@76.075,118.4 76.075,118.65 76.457,119.032 76.457,119.697 C93.1@76.46,119.7
PP_LCD_BL_A: C74.2 C75.2 C76.2 J3.40 L4.2
  other v1: 37.5,35.6 38.3,35.6 39.1,35.6 39.9,35.6 40.7,35.6 40,49 40,49.7 40,50.4
PP_LCD_BL_K: J3.38 J3.39 R42.2 U6.5
  other v1: 41,49 41,49.7 41,50.4
PP_LDOA_1V8: C29.2 C39.2 C46.2 C52.2 C55.2 C59.2 C70.2 R26.1 U4.20 U4.28 U4.50 U4.65 U4.89 U4.107 | length 40.1
  L1 w0.508: v1(39.3,75.4) 39.3,80.5 v1(43.8,85) 46.362,82.438 46.982,82.438 v1(47,82.42)
  L4 w0.254: C59.2@38.44,75.4 U4.89@42.275,75.4 ; C70.2@38.74,65 40.2,65 41,65.8 U4.65@42.275,65.8 ; C52.2@47,83.26 v1(47,82.42) 47,81.6 47.8,80.8 U4.107@47.8,79.725 ; C46.2@48.5,60.74 v1(48.5,61.6) 48.5,61.622 48.8,61.922 48.8,62.203 49.4,62.803 U4.50@49.4,64.275 ; U4.28@57.725,67.4 60,67.4 v1(60.4,67) C29.2@61.26,67 ; U4.20@57.725,70.6 58.8,70.6 59,70.4 C39.2@61.26,70.4
  L4 w0.381: R26.1@43.8,84.25 v1(43.8,85) C55.2@43.8,85.86
  other v1: 39.7,65 60.4,70.4